# Altium PCB PCB_Project.PcbDoc (part 4 of 4)
Units mm, origin at the board's own origin, x right, y up, seen from the top; angles counter-clockwise.
Board outline 170.43 x 170.05 mm, 4 copper layers (Top Layer, Inner Layer1, Inner Layer2, Bottom Layer), stack 0.551 mm thick; 181 components, 248 nets, 1695 pads, 510 vias.
Unrouted connection lines stored in the file: 313.
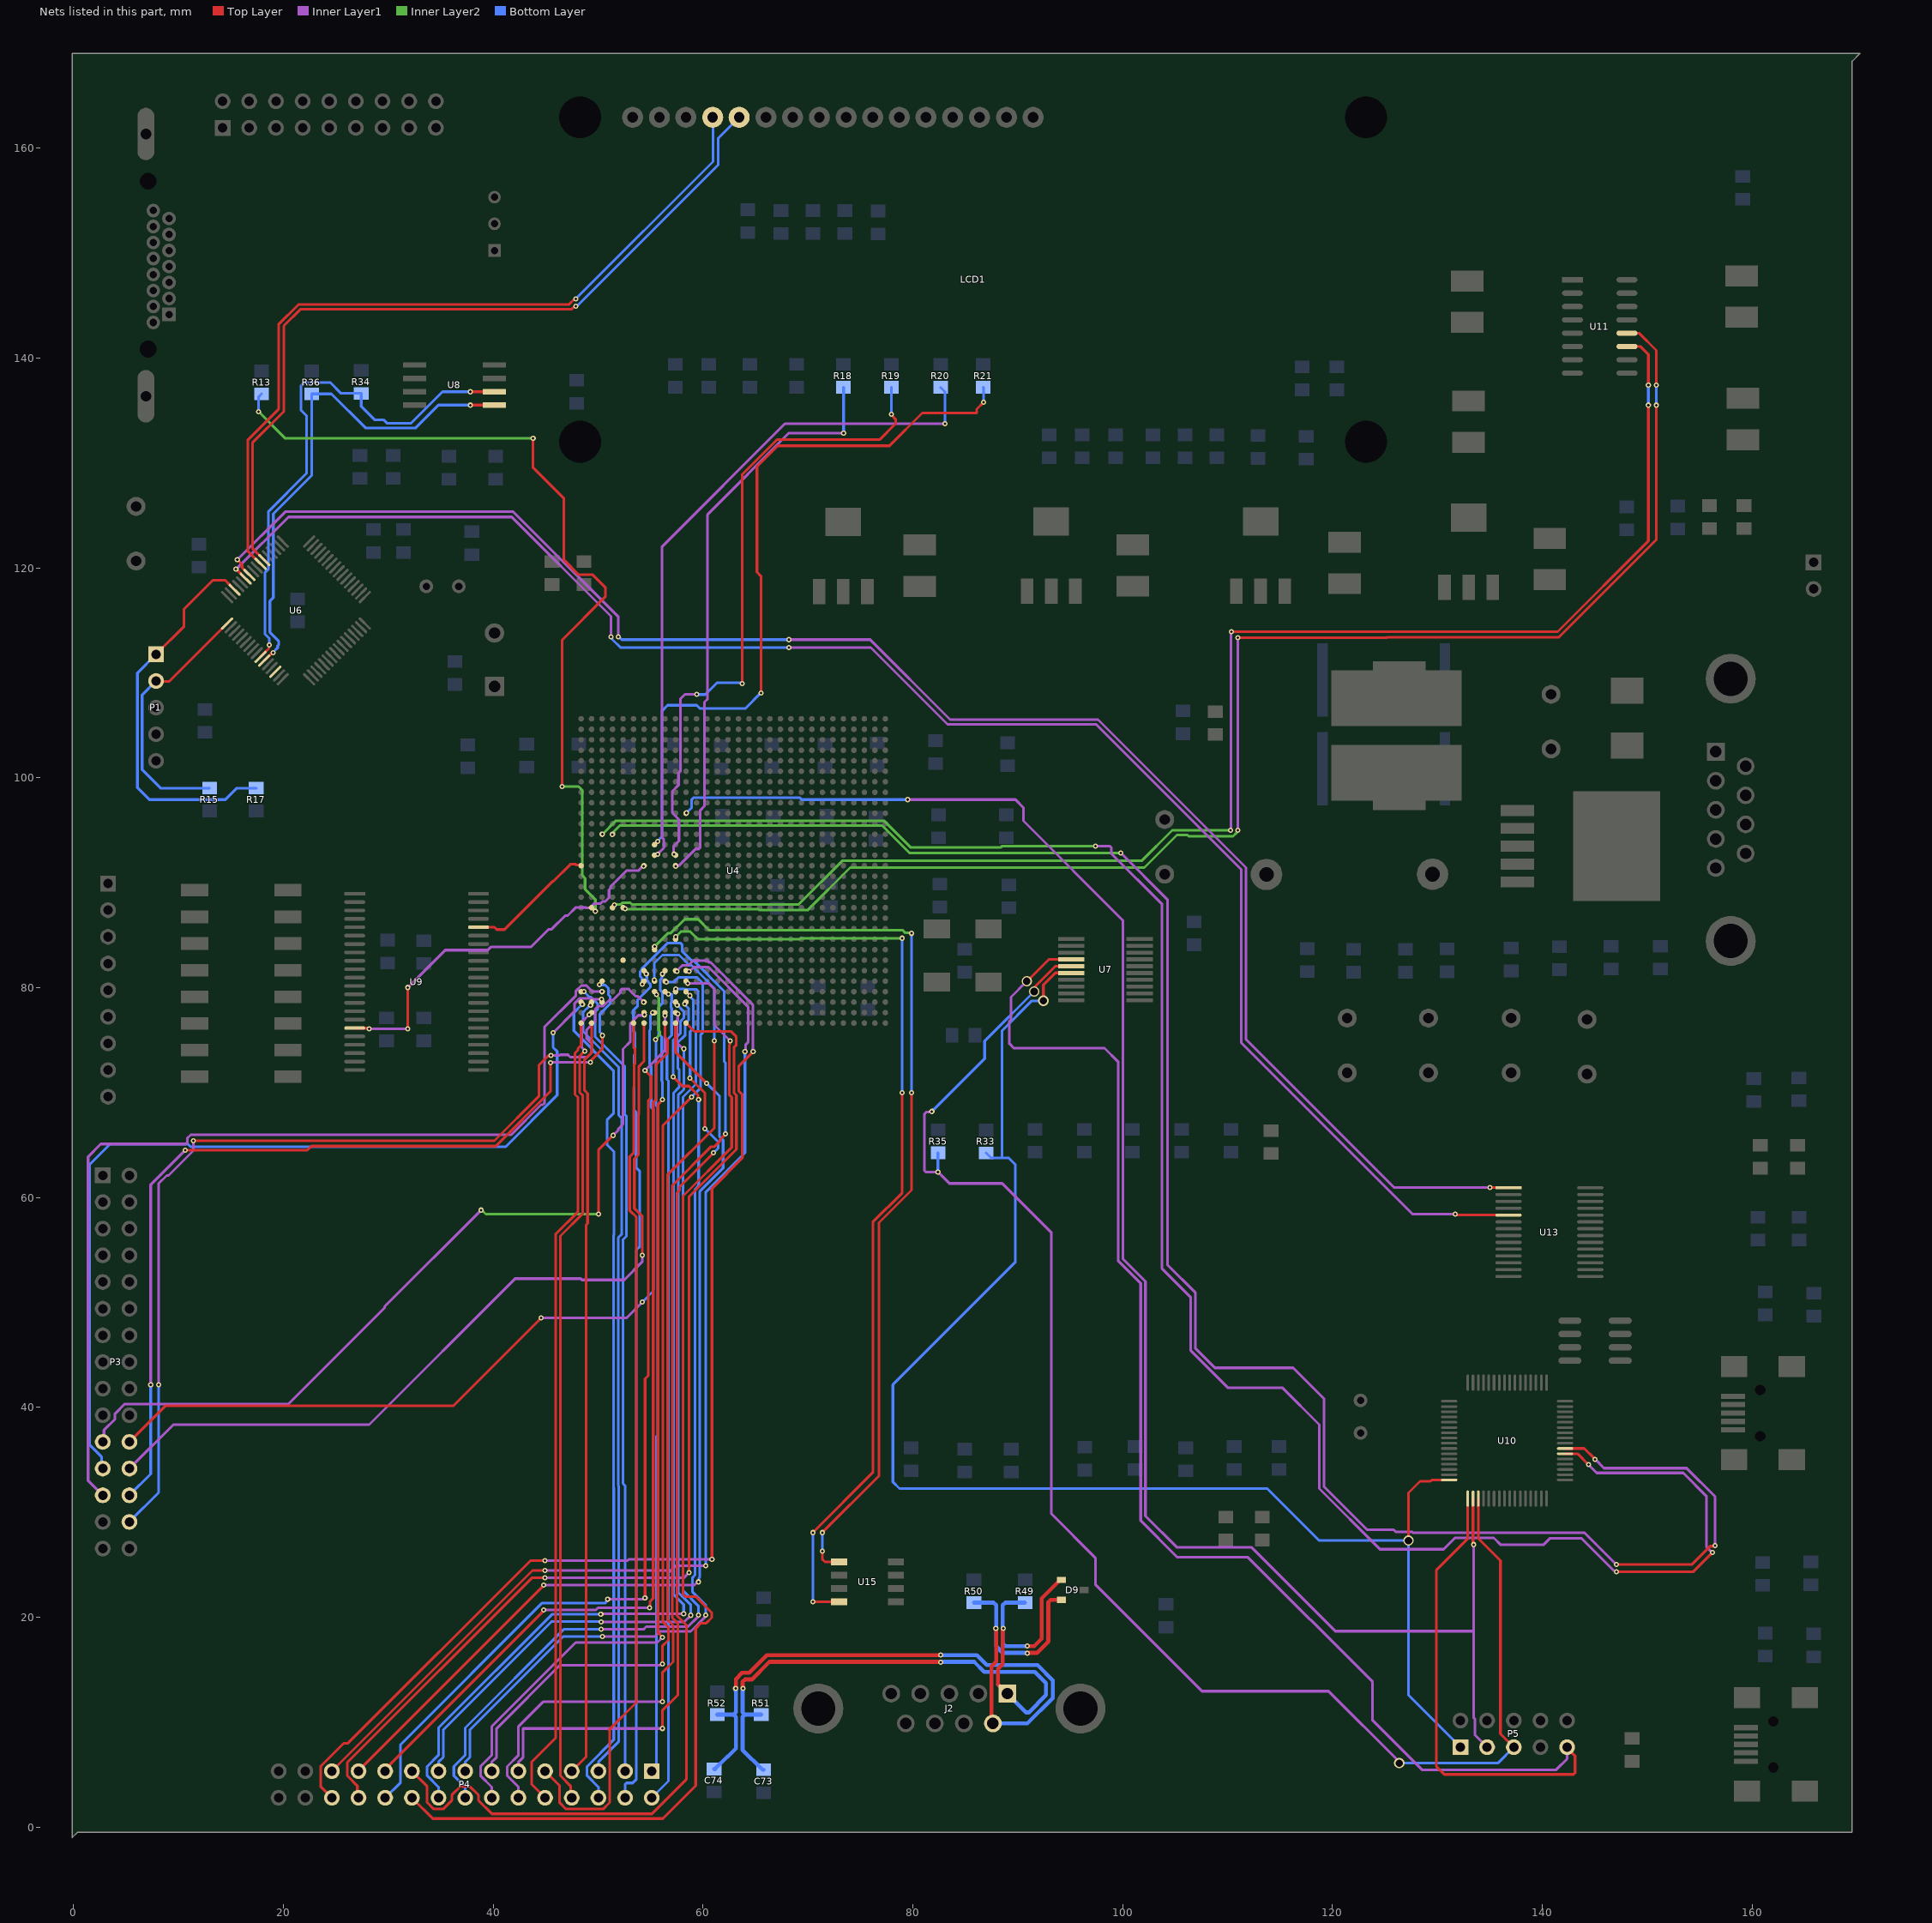
[diagram p6: the nets of this part, all layers, seen from the top]

## Via types
v1: diameter 0.5, hole 0.25, Top Layer to Bottom Layer, 482 vias
v2: diameter 1, hole 0.711, Top Layer to Bottom Layer, 28 vias

## Nets (pads, with @x,y where several pads share a name; then routed paths per layer and width w, separated by ;. In a path a pad name is that pad's centre, name@x,y a point inside that pad or via, vN(x,y) a via of type N, cw(c..) or ccw(c..) an arc to the next point about the centre after c; other vN are vias at no path point) (continued)
PP50: P3.22 U4.AC29 | length 82.9
  Top Layer w0.254: P3.22@5.334,36.703 8.763,40.132 36.195,40.132 v1(44.577,48.514) ; v1(55.219,77.607) 55.381,77.607 U4.AC29@55.389,77.615
  Inner Layer1 w0.254: v1(44.577,48.514) 52.705,48.514 v1(54.229,50.038)
  Bottom Layer w0.254: v1(54.229,50.038) 55.245,51.054 55.245,51.181 55.26,51.196 55.26,68.407 55.06,68.607 55.06,72.502 54.922,72.64 54.922,75.919 54.991,75.988 54.991,77.312 55.219,77.54 v1(55.219,77.607)
PP51: P3.21 U4.AD29 | length 78.8
  Top Layer w0.254: v1(50.038,58.42) 50.038,64.516 v1(51.435,65.913) ; U4.AD29@54.389,77.615 54.414,77.59 v1(54.414,77.401)
  Inner Layer1 w0.254: P3.21@2.794,36.703 2.908,36.817 2.908,37.834 3.96,38.886 3.96,39.392 4.888,40.32 20.508,40.32 29.661,49.473 29.661,49.6 v1(38.862,58.801) ; v1(51.435,65.913) 51.943,66.421 51.943,66.548 52.382,66.987 52.382,74.153 53.09,74.861 53.09,76.601 53.843,77.354 54.367,77.354 v1(54.414,77.401)
  Inner Layer2 w0.254: v1(38.862,58.801) 38.929,58.801 39.31,58.42 v1(50.038,58.42)
PP52: P3.24 U4.AD30 | length 80.6
  Top Layer w0.254: v1(54.229,54.483) 54.229,58.201 53.467,58.963 53.467,63.681 53.848,64.062 53.848,67.945 53.906,68.003 53.906,72.502 54.389,72.985 U4.AD30@54.389,76.615
  Inner Layer1 w0.254: P3.24@5.334,34.163 9.525,38.354 28.194,38.354 42.106,52.266 48.357,52.266 48.48,52.143 52.498,52.143 54.207,53.852 54.207,54.461 v1(54.229,54.483)
PP78: P3.28 U4.AD28 | length 93.1
  Top Layer w0.254: v1(11.43,65.405) 40.125,65.405 44.383,69.663 44.383,72.631 45.227,73.475 45.276,73.475 45.289,73.488 45.482,73.488 v1(45.529,73.535) ; v1(54.356,78.613) 54.358,78.615 U4.AD28@54.389,78.615
  Inner Layer1 w0.254: v1(8.128,42.164) 8.128,61.334 8.894,62.099 9.067,62.099 11.43,64.462 v1(11.43,65.405) ; v1(45.529,73.535) 46.337,73.535 46.4,73.598 47.141,73.598 47.361,73.378 48.969,73.378 49.403,73.812 49.403,74.67 48.895,75.178 48.895,75.946 49.73,76.781 49.73,77.924 50.038,78.232 50.488,78.232 51.069,78.813 51.435,78.813 52.139,79.517 52.139,79.736 52.288,79.885 52.888,79.885 53.082,79.691 53.082,79.689 53.597,79.175 53.794,79.175 v1(54.356,78.613)
  Bottom Layer w0.254: P3.28@5.334,29.083 8.128,31.877 v1(8.128,42.164)
PP80: P3.25 U4.AH27 | length 93.6
  Inner Layer1 w0.254: P3.25@2.794,31.623 1.397,33.02 1.397,63.881 2.609,65.093 10.704,65.093 10.853,65.242 10.853,65.644 11.191,65.982 41.725,65.982 44.577,68.834 44.74,68.834 44.889,68.983 44.889,76.239 47.897,79.246 47.897,79.679 48.417,80.2 48.895,80.2 49.48,79.615 v1(50.389,79.615)
PP81: P3.26 U4.AH26 | length 88.3
  Top Layer w0.254: v1(10.668,64.516) 22.305,64.516 22.686,64.897 40.259,64.897 45.466,70.104 v1(45.466,72.838) ; v1(49.289,72.898) 49.289,72.965 49.412,73.088 49.412,73.162 50.419,74.169 v1(50.419,75.438) ; v1(50.148,80.288) 50.148,80.331 50.389,80.572 U4.AH26@50.389,80.615
  Inner Layer1 w0.254: v1(7.366,42.164) 7.366,61.214 v1(10.668,64.516) ; v1(45.466,72.838) 45.496,72.868 49.259,72.868 v1(49.289,72.898)
  Bottom Layer w0.254: P3.26@5.334,31.623 7.366,33.655 v1(7.366,42.164) ; v1(50.148,80.288) 50.195,80.241 50.696,80.241 50.985,79.952 50.985,79.339 51.158,79.165 51.158,78.456 50.184,77.482 50.184,75.74 50.419,75.505 v1(50.419,75.438)
PP85: P3.23 U4.AH28 | length 89.6
  Top Layer w0.254: U4.AH28@50.389,78.615 U4.AH28@50.389,78.674
  Inner Layer1 w0.254: v1(45.72,75.692) 47.752,77.724 47.752,78.46 48.278,78.985 49.367,78.985 49.45,78.902 v1(50.342,78.902)
  Bottom Layer w0.254: P3.23@2.794,34.163 2.68,34.277 2.68,35.294 1.524,36.45 1.524,63.119 3.498,65.093 10.907,65.093 11.172,64.828 41.191,64.828 46.106,69.743 46.106,73.918 45.72,74.304 v1(45.72,75.692)
PP86: P4.2 U4.AB27 | length 78
  Top Layer w0.254: U4.AB27@56.389,79.615 56.432,79.615 56.668,79.38 v1(56.711,79.38)
  Bottom Layer w0.254: P4.2@55.118,2.794 56.711,4.387 56.711,71.124 56.573,71.262 56.573,75.012 57.022,75.461 57.022,78.042 56.969,78.095 56.969,78.573 57.023,78.627 57.023,79.386
PP87: P4.1 U4.AC27 | length 75
  Top Layer w0.254: U4.AC27@55.389,79.615 55.389,79.554 55.557,79.386 v1(55.557,79.324)
  Inner Layer2 w0.254: v1(55.499,75.057) 55.499,75.124 55.88,75.505 55.88,75.819 55.796,75.903 55.796,79.019 55.557,79.258 v1(55.557,79.324)
  Bottom Layer w0.254: P4.1@55.118,5.334 55.557,5.773 55.557,37.198 55.714,37.355 55.714,68.595 55.514,68.795 55.514,75.042 v1(55.499,75.057) ; v1(55.557,79.324) v1@55.604,79.277
PP90: P4.4 U4.AD25 | length 80.6
  Bottom Layer w0.254: P4.4@52.578,2.794 52.578,4.058 52.727,4.207 53.303,4.207 53.655,4.559 53.655,27.416 53.652,27.419 53.652,50.277 53.652,51.831 53.652,54.988 53.99,55.326 53.99,62.479 53.628,62.841 53.628,68.113 53.452,68.289 53.452,73.591 53.536,73.675 53.536,75.675 53.383,75.828 53.383,77.851 53.779,78.247 53.779,78.852 55.006,80.079 55.006,80.289 54.792,80.503 54.792,80.589 54.653,80.728 54.653,81.249 v1(54.606,81.296)
PP93: P4.3 U4.AK27 | length 76.8
  Top Layer w0.254: U4.AK27@48.389,79.615 48.393,79.619 48.652,79.619 v1(48.656,79.623)
  Bottom Layer w0.254: v1(48.656,79.623) 49.192,79.087 49.34,79.087 49.52,78.907 49.532,78.907 49.765,78.675 49.765,78.663 49.965,78.462 49.965,77.905 49.73,77.67 49.73,75.311 52.544,72.497 52.544,67.913 52.72,67.737 52.72,56.33 52.382,55.992 52.382,32.737 52.578,32.541 P4.3@52.578,5.334
PP94: P4.6 U4.AK28 | length 79.6
  Bottom Layer w0.254: v1(48.517,78.408) 48.497,78.408 47.698,77.609 47.698,75.873 51.474,72.097 51.474,67.997 50.858,67.381 50.858,65.035 51.519,64.374 51.519,56.413 51.474,56.368 51.474,32.361 51.504,32.331 51.504,8.323 48.961,5.78 48.961,4.888 50.038,3.811 P4.6@50.038,2.794
PP95: P4.5 U4.AJ28 | length 76.1
  Top Layer w0.254: v1(49.293,78.33) 49.34,78.377 49.34,78.566 U4.AJ28@49.389,78.615
  Bottom Layer w0.254: v1(49.293,78.33) 49.255,78.33 48.914,77.99 48.576,77.652 48.576,75.823 51.973,72.426 51.973,67.842 52.266,67.549 52.266,56.518 51.928,56.18 51.928,32.549 51.958,32.519 51.958,8.135 50.038,6.215 P4.5@50.038,5.334
PP96: P4.8 U4.AJ29 | length 76.7
  Top Layer w0.254: P4.8@47.498,2.794 47.384,2.908 47.384,3.925 46.421,4.888 46.421,56.335 48.552,58.466 48.552,69.714 48.258,70.008 48.258,73.483 v1(48.73,73.955)
  Inner Layer1 w0.254: v1(48.73,73.955) 48.73,74.021 48.441,74.31 48.441,76.701 v1(49.153,77.413)
PP97: P4.7 U4.AJ30 | length 72.3
  Top Layer w0.254: P4.7@47.498,5.334 48.876,6.712 48.876,57.399 49.006,57.529 49.006,69.902 48.712,70.196 48.712,73.137 49.05,73.475 49.066,73.475 49.389,73.798 U4.AJ30@49.389,76.615
PP100: P4.10 U4.AK30 | length 76.5
  Top Layer w0.254: P4.10@44.958,2.794 43.688,4.064 43.688,6.223 45.967,8.502 45.967,56.523 48.098,58.654 48.098,69.526 47.804,69.82 47.804,73.754 48.094,74.044 48.094,74.204 48.389,74.499 U4.AK30@48.389,76.615
PP119: P4.9 U4.AE30 | length 84.8
  Top Layer w0.254: P4.9@44.958,5.334 46.347,3.945 46.347,2.32 46.95,1.717 50.484,1.717 51.115,2.348 51.115,9.21 51.054,9.271 53.652,11.869 53.652,50.277 53.652,51.831 53.652,58.136 53.013,58.775 53.013,63.869 53.394,64.25 53.394,70.487 53.452,70.545 53.452,72.69 53.536,72.774 53.536,74.153 53.389,74.3 U4.AE30@53.389,76.615
PP128: P4.12 U4.AC26 | length 101.8
  Top Layer w0.254: v1(56.134,11.938) 56.134,14.714 57.165,15.745 57.165,19.221 56.623,19.763 56.623,62.157 61.087,66.621 v1(61.087,74.93)
  Inner Layer1 w0.254: P4.12@42.418,2.794 42.418,3.811 41.341,4.888 41.341,5.78 42.418,6.857 42.418,9.586 44.77,11.938 v1(56.134,11.938)
  Bottom Layer w0.254: v1(55.369,80.742) 55.361,80.75 55.361,82.326 56.14,83.105 57.735,83.105 58.718,82.122 58.916,82.122 61.087,79.951 v1(61.087,74.93)
PP130: P4.11 U4.AD26 | length 104
  Top Layer w0.254: v1(54.226,80.338) 54.226,80.395 54.389,80.558 U4.AD26@54.389,80.615 ; v1(56.134,9.398) 56.134,11.122 57.619,12.607 57.619,19.409 57.077,19.951 57.077,61.137 60.779,64.839 61.098,64.839 61.606,65.347 61.606,65.488 v1(62.161,66.043)
  Inner Layer1 w0.254: P4.11@42.418,5.334 42.418,6.215 42.872,6.669 42.872,9.398 v1(56.134,9.398)
  Bottom Layer w0.254: v1(54.226,80.338) 54.179,80.385 54.179,80.907 54.029,81.057 54.029,81.534 54.171,81.676 54.171,81.779 56.651,84.259 57.835,84.259 58.032,84.062 58.032,83.451 58.906,82.576 59.104,82.576 62.023,79.657 62.023,72.952 62.161,72.814 v1(62.161,66.043)
PP131: P4.14 U4.AB25 | length 91.5
  Top Layer w0.254: v1(56.134,18.07) 56.134,18.124 55.715,18.543 55.715,68.869 56.134,69.288 v1(56.134,69.342)
  Inner Layer1 w0.254: P4.14@39.878,2.794 39.878,3.811 38.801,4.888 38.801,5.78 39.878,6.857 39.878,9.586 47.876,17.584 55.648,17.584 v1(56.134,18.07)
  Bottom Layer w0.254: v1(56.134,69.342) 56.134,71.059 56.076,71.117 56.076,75.296 55.796,75.576 55.796,78.158 56.134,78.496 56.134,79.563 55.946,79.751 55.946,80.757 56.093,80.904 56.093,81.238 v1(56.14,81.285)
PP132: P4.13 U4.AB26 | length 93.6
  Top Layer w0.254: v1(56.134,15.53) 56.134,17.254 56.711,17.831 56.711,19.033 56.169,19.575 56.169,66.837 58.89,69.558 v1(58.905,69.558) ; U4.AB26@56.389,80.615 56.426,80.615 v1(56.523,80.518)
  Inner Layer1 w0.254: P4.13@39.878,5.334 39.878,6.215 40.332,6.669 40.332,9.398 46.359,15.425 56.029,15.425 v1(56.134,15.53)
  Bottom Layer w0.254: v1(56.523,80.518) 57.216,80.518 57.666,80.968 59.428,80.968 59.993,80.403 59.993,75.728 59.789,75.524 59.789,70.457 58.905,69.573 v1(58.905,69.558)
PP133: P4.16 U4.AA27 | length 97.5
  Top Layer w0.254: U4.AA27@57.389,79.615 57.397,79.623 57.397,79.876 v1(57.404,79.883)
  Inner Layer1 w0.254: v1(50.282,18.847) 54.341,18.847 54.594,19.101 58.587,19.101 59.516,20.03 59.516,20.146 v1(59.563,20.193)
  Bottom Layer w0.254: P4.16@37.338,2.794 37.338,3.811 36.261,4.888 36.261,5.78 37.338,6.857 37.338,9.459 46.726,18.847 v1(50.282,18.847) ; v1(57.404,79.883) 58.239,79.883 58.308,79.814 59.39,79.814 59.539,79.665 59.539,75.916 59.335,75.712 59.335,70.804 58.097,69.566 58.097,22.562 59.563,21.096 v1(59.563,20.193)
PP134: P4.15 U4.AA28 | length 92.2
  Top Layer w0.254: v1(57.15,71.501) 58.039,70.612 58.667,70.612 59.544,69.735 59.544,69.378 v1(59.591,69.331)
  Inner Layer1 w0.254: v1(50.419,18.161) 55.409,18.161 55.895,18.647 58.833,18.647 60.216,20.03 60.216,20.146 v1(60.263,20.193)
  Bottom Layer w0.254: P4.15@37.338,5.334 37.338,6.215 37.792,6.669 37.792,9.271 46.682,18.161 v1(50.419,18.161) ; v1(57.15,71.501) 57.15,74.947 57.865,75.662 57.865,76.779 58.177,77.091 58.177,77.724 57.567,78.334 v1(57.546,78.334) ; v1(59.591,69.331) 59.591,61.122 59.251,60.782 59.251,24.018 58.986,23.753 58.986,22.444 60.263,21.167 v1(60.263,20.193)
PP137: P4.18 U4.Y28 | length 94.8
  Inner Layer1 w0.254: v1(50.274,20.279) 50.315,20.32 v1(58.166,20.32)
  Bottom Layer w0.254: P4.18@34.798,2.794 34.798,3.811 33.721,4.888 33.721,5.78 34.798,6.857 34.798,9.459 45.618,20.279 v1(50.274,20.279) ; v1(58.166,20.32) 58.166,21.209 57.189,22.186 57.189,69.942 57.727,70.48 57.727,72.202 57.604,72.325 57.604,74.759 58.319,75.474 58.319,76.591 58.631,76.903 58.631,78.02 58.26,78.391 v1(58.26,78.457)
PP138: P4.17 U4.AA29 | length 90.7
  Inner Layer1 w0.254: v1(50.292,19.558) 58.228,19.558 v1(58.852,20.183) ; v1(57.599,77.486) 57.593,77.479 57.593,76.794 57.527,76.728 57.527,74.695 57.707,74.515 57.767,74.515 58.114,74.167 v1(58.181,74.167)
  Bottom Layer w0.254: P4.17@34.798,5.334 34.798,6.215 35.252,6.669 35.252,9.271 45.575,19.594 50.256,19.594 v1(50.292,19.558) ; v1(58.181,74.167) 58.181,70.292 57.643,69.754 57.643,22.374 58.852,21.165 v1(58.852,20.183)
PP139: P4.20 U4.Y26 | length 113.5
  Top Layer w0.254: P4.20@32.258,2.794 34.243,0.809 56.181,0.809 59.309,3.937 59.309,18.923 59.825,19.439 60.324,19.439 60.84,19.954 60.84,20.432 59.301,21.971 58.315,21.971 58.097,22.189 58.097,60.129 62.738,64.77 62.738,69.542 62.523,69.757 62.523,74.529 62.553,74.559 62.553,74.883 v1(62.6,74.93) ; U4.Y26@58.389,80.615 58.389,80.582 58.547,80.424 v1(58.547,80.391)
  Inner Layer1 w0.254: v1(58.547,80.391) 60.557,80.391 61.087,79.861 61.087,76.443 v1(62.6,74.93)
PP140: P4.19 U4.Y27 | length 110.6
  Top Layer w0.254: P4.19@32.258,5.334 33.721,3.871 33.721,2.348 34.352,1.717 35.244,1.717 36.068,2.541 36.068,3.047 36.892,3.871 37.784,3.871 38.608,3.047 38.608,2.541 39.886,1.263 55.143,1.263 58.42,4.54 58.42,18.796 58.442,18.818 58.442,19.228 57.531,20.139 57.531,60.452 57.785,60.706 57.785,61.029 v1(61.018,64.262) ; v1(58.758,71.374) 60.198,69.934 v1(60.198,66.548)
  Bottom Layer w0.254: v1(58.742,79.237) 58.742,79.17 59.085,78.827 59.085,76.104 58.773,75.792 58.773,71.389 v1(58.758,71.374) ; v1(60.198,66.548) 61.468,65.278 61.468,64.712 v1(61.018,64.262)
PP141: P4.22 U4.AB29 | length 91.9
  Top Layer w0.254: v1(54.483,21.844) 54.483,42.727 54.806,43.05 54.806,69.244 55.06,69.498 55.06,71.528 v1(54.483,72.105) ; v1(56.373,77.33) 56.381,77.338 56.381,77.607 U4.AB29@56.389,77.615
  Inner Layer1 w0.254: v1(50.927,21.717) 54.289,21.717 54.416,21.844 v1(54.483,21.844) ; v1(54.483,72.105) 56.373,73.995 v1(56.373,77.33)
  Bottom Layer w0.254: P4.22@29.718,2.794 31.181,4.257 31.181,7.867 44.65,21.336 50.651,21.336 50.8,21.485 50.8,21.523 50.927,21.65 v1(50.927,21.717)
PP143: P4.21 U4.AB30 | length 88.3
  Top Layer w0.254: P4.21@29.718,5.334 29.718,5.521 44.831,20.634 v1(44.831,20.701) ; v1(54.922,20.897) 54.969,20.944 54.969,21.514 55.26,21.805 55.26,69.056 55.514,69.31 55.514,72.659 56.642,73.787 56.642,75.037 56.389,75.29 U4.AB30@56.389,76.615
  Inner Layer1 w0.254: v1(44.831,20.701) 49.805,20.701 50.001,20.897 v1(54.922,20.897)
PP144: P4.24 U4.Y30 | length 102.3
  Top Layer w0.254: P4.24@27.178,2.794 27.064,2.908 27.064,3.925 26.101,4.888 26.101,6.155 43.695,23.749 v1(44.958,23.749) ; U4.Y30@58.389,76.615 59.167,75.837 62.647,75.837 63.177,75.307 63.177,74.541 62.977,74.341 62.977,69.945 63.192,69.73 63.192,64.582 58.678,60.067 58.678,39.247 58.674,39.243 v1(58.674,24.257)
  Inner Layer1 w0.254: v1(44.958,23.749) 58.166,23.749 v1(58.674,24.257)
PP146: P4.23 U4.AA30 | length 96
  Top Layer w0.254: P4.23@27.178,5.334 27.178,5.397 44.831,23.05 v1(44.831,23.061) ; U4.AA30@57.389,76.615 57.389,73.843 v1(60.366,70.866)
  Inner Layer1 w0.254: v1(44.831,23.061) 59.189,23.061 59.496,23.368 v1(59.563,23.368)
  Bottom Layer w0.254: v1(59.563,23.368) 59.61,23.415 59.61,23.735 59.705,23.83 59.705,60.594 61.922,62.811 61.922,65.466 61.584,65.804 61.584,69.648 v1(60.366,70.866)
PP147: P4.26 U4.AA25 | length 113.3
  Top Layer w0.254: P4.26@24.638,2.794 23.561,3.871 23.561,5.78 25.782,8.001 26.162,8.001 43.561,25.4 v1(44.958,25.4) ; U4.AA25@57.389,81.615 57.47,81.534 v1(57.531,81.534) ; v1(60.859,25.527) 60.859,60.859 63.776,63.776 63.776,63.986 63.754,64.008 63.754,69.81 63.431,70.133 63.431,72.521 64.785,73.875 v1(64.785,73.919)
  Inner Layer1 w0.254: v1(44.958,25.4) 52.821,25.4 52.948,25.527 v1(60.859,25.527) ; v1(57.531,81.534) 57.531,81.601 57.654,81.724 57.654,81.744 58.032,82.122 58.627,82.122 59.081,82.576 60.412,82.576 60.577,82.411 60.718,82.411 64.755,78.374 64.755,73.949 v1(64.785,73.919)
PP148: P4.25 U4.Y25 | length 106.4
  Top Layer w0.254: P4.25@24.638,5.334 43.753,24.449 v1(44.958,24.449) ; U4.Y25@58.389,81.615 58.424,81.58 58.642,81.58 v1(58.677,81.545)
  Inner Layer1 w0.254: v1(44.958,24.449) 56.831,24.449 56.896,24.384 57.404,24.892 v1(60.282,24.892) ; v1(58.677,81.545) 58.741,81.545 59.153,81.957 60.53,81.957 64.301,78.186 64.301,74.788 64.055,74.542 64.055,73.961 v1(64.008,73.914)
  Bottom Layer w0.254: v1(60.282,24.892) 60.282,60.529 64.008,64.255 v1(64.008,73.914)
RED0: R21.2 U4.AC13 | length 71
  Top Layer w0.254: U4.AC13@55.389,93.615 v1(55.69,93.917) ; v1(65.532,108.077) 65.532,119.212 65.151,119.593 65.151,129.646 67.13,131.625 77.777,131.625 80.91,134.758 86.095,134.758 86.095,135.117 v1(86.741,135.763)
  Bottom Layer w0.254: v1(55.69,93.917) 55.69,93.968 56.111,94.389 56.111,106.381 56.636,106.906 59.405,106.906 59.7,106.611 64.066,106.611 v1(65.532,108.077) ; R21.2@86.716,137.211 86.741,137.185 v1(86.741,135.763)
RED1: R20.2 U4.AC14 | length 65.4
  Top Layer w0.254: U4.AC14@55.389,92.615 55.437,92.663 55.633,92.663 v1(55.68,92.71)
  Inner Layer1 w0.254: v1(55.68,92.71) 56.267,93.297 56.267,94.156 56.111,94.312 56.111,122.024 67.818,133.731 v1(83.058,133.731)
  Bottom Layer w0.254: R20.2@82.652,137.211 83.058,136.804 v1(83.058,133.731)
RED2: R19.2 U4.AA14 | length 62.4
  Top Layer w0.254: v1(63.754,108.966) 63.754,128.905 67.056,132.207 76.835,132.207 78.359,133.731 78.359,134.172 77.978,134.553 v1(77.978,134.62)
  Inner Layer1 w0.254: v1(57.23,92.721) 57.208,92.743 57.208,93.457 57.719,93.968 57.719,96.018 57.081,96.656 57.081,98.707 57.672,99.298 57.672,100.453 57.844,100.625 57.844,107.501 58.293,107.95 v1(59.409,107.95)
  Bottom Layer w0.254: v1(59.409,107.95) 59.432,107.927 60.222,107.927 61.33,109.035 63.618,109.035 63.687,108.966 v1(63.754,108.966) ; R19.2@77.953,137.211 77.978,137.185 v1(77.978,134.62)
RED3: R18.2 U4.AA15 | length 55.7
  Top Layer w0.254: U4.AA15@57.389,91.615 57.389,91.582 v1(57.404,91.567)
  Inner Layer1 w0.254: v1(57.404,91.567) 57.451,91.614 57.705,91.614 59.309,93.218 59.599,93.218 59.748,93.367 59.748,96.89 60.151,97.292 60.151,107.207 60.44,107.496 60.44,125.083 68.199,132.842 v1(73.406,132.842)
  Bottom Layer w0.254: R18.2@73.381,137.211 73.406,137.185 v1(73.406,132.842)
RS: LCD1.4 U6.39 | length 76.6
  Top Layer w0.254: U6.39@17.833,120.388 16.607,121.614 16.607,132.157 19.558,135.108 19.558,143.204 21.441,145.087 47.223,145.087 47.763,145.627 v1(47.879,145.627)
  Bottom Layer w0.254: v1(47.879,145.627) 60.96,158.708 60.96,162.903 LCD1.4@60.929,162.934
RS_N: C73.1 D9.1 J2.1 R49.1 R51.1 | length 72.5
  Top Layer w0.381: v1(63.812,13.208) 63.779,13.24 63.779,13.848 64.003,14.072 64.676,14.072 66.352,15.748 82.645,15.748 v1(82.677,15.716) ; v1(88.615,18.923) 88.615,18.839 88.582,18.806 88.582,15.523 88.129,15.069 88.129,13.601 88.352,13.378 88.374,13.378 J2.1@89.028,12.723 ; v1(90.932,17.272) 91.016,17.272 91.049,17.24 91.572,17.24 92.292,17.959 92.292,21.798 94.05,23.556 D9.1@94.175,23.556
  Bottom Layer w0.381: v1(63.812,13.208) 63.789,13.185 63.789,12.964 63.779,12.954 63.779,10.942 64.003,10.719 ; R51.1@65.557,10.719 64.003,10.719 ; C73.1@65.786,5.461 65.686,5.461 63.779,7.368 63.779,10.496 64.003,10.719 ; v1(82.677,15.716) 82.709,15.748 85.852,15.748 86.8,14.8 91.635,14.8 92.71,13.725 92.71,12.573 91.059,10.922 90.807,10.922 88.129,13.601 ; v1(88.615,18.923) v1@88.582,18.955 ; R49.1@90.703,21.387 88.806,21.387 88.582,21.164 v1@88.582,18.955 ; v1(90.932,17.272) 90.9,17.24 88.838,17.24 88.582,17.495 v1@88.582,18.955
RS_P: C74.1 D9.2 J2.6 R50.2 R52.1 | length 78.2
  Top Layer w0.381: v1(63.112,13.208) 63.112,13.292 63.144,13.325 63.144,14.112 63.74,14.707 64.413,14.707 66.089,16.383 82.55,16.383 82.582,16.415 v1(82.677,16.415) ; J2.6@87.643,9.883 87.494,10.033 87.494,15.332 87.947,15.786 87.947,18.891 v1(87.915,18.923) ; v1(90.932,16.572) 90.964,16.605 91.836,16.605 92.927,17.695 92.927,21.433 93.15,21.656 D9.2@94.175,21.656
  Bottom Layer w0.381: C74.1@61.062,5.537 61.162,5.537 62.344,6.72 62.371,6.72 63.144,7.493 63.144,10.496 62.921,10.719 ; R52.1@61.366,10.719 62.921,10.719 ; v1(63.112,13.208) 63.135,13.185 63.135,12.964 63.144,12.954 63.144,10.942 62.921,10.719 ; v1(82.677,16.415) 82.761,16.415 82.794,16.383 86.115,16.383 87.063,15.435 91.898,15.435 93.345,13.988 93.345,12.31 90.918,9.883 J2.6@87.643,9.883 ; R50.2@85.827,21.387 87.724,21.387 87.947,21.164 v1@87.947,19.04 ; v1(87.915,18.923) 87.915,19.007 v1@87.947,19.04 ; v1(90.932,16.572) 90.848,16.572 90.815,16.605 88.575,16.605 87.947,17.232 v1@87.947,19.04
RW: LCD1.5 U6.38 | length 77.1
  Top Layer w0.254: U6.38@18.186,120.742 17.061,121.867 17.061,131.903 20.058,134.9 20.058,143.062 21.629,144.633 47.469,144.633 47.763,144.927 v1(47.879,144.927)
  Bottom Layer w0.254: v1(47.879,144.927) 47.995,144.927 61.46,158.392 61.46,160.94 LCD1.5@63.454,162.934
RX2: U4.AC23 U15.1 | length 91.3
  Top Layer w0.254: U4.AC23@55.389,83.615 v1(55.389,83.9) ; v1(71.374,26.289) 71.374,25.527 71.628,25.273 U15.1@72.98,25.273 ; v1(71.374,28.067) 76.777,33.47 76.777,57.593 79.883,60.699 v1(79.883,69.977)
  Inner Layer2 w0.254: v1(55.389,83.9) 56.683,85.194 56.946,85.194 58.261,86.509 59.541,86.509 60.579,85.471 79.048,85.471 79.306,85.213 79.826,85.213 v1(79.873,85.166)
  Bottom Layer w0.254: v1(71.374,26.289) v1(71.374,28.067) ; v1(79.873,85.166) 79.878,85.16 79.878,69.982 v1(79.883,69.977)
RX_232: U4.AF19 U11.12 | length 145.4
  Top Layer w0.254: v1(110.998,113.342) 125.183,113.342 125.237,113.396 141.59,113.396 150.876,122.682 v1(150.876,135.509) ; U11.12@148.075,142.367 149.225,142.367 150.876,140.716 v1(150.876,137.414)
  Inner Layer1 w0.254: v1(110.998,94.996) v1(110.998,113.342)
  Inner Layer2 w0.254: v1(52.578,87.503) 52.604,87.477 65.304,87.477 65.405,87.376 69.977,87.376 74.041,91.44 102.081,91.44 105.183,94.542 106.172,94.542 106.295,94.419 110.537,94.419 110.875,94.757 110.875,94.806 110.998,94.929 v1(110.998,94.996)
  Bottom Layer w0.254: v1(150.876,135.509) v1(150.876,137.414)
RXD0_PA9: U6.42 U13.1 | length 162.4
  Top Layer w0.254: v1(15.621,120.777) 16.071,120.327 16.071,120.031 16.772,119.33 U6.42@16.772,119.327 ; v1(135.001,60.96) 135.019,60.942 136.761,60.942 U13.1@136.779,60.923
  Inner Layer1 w0.254: v1(15.621,120.777) 20.193,125.349 41.917,125.349 51.943,115.323 v1(51.943,113.411) ; v1(68.199,113.157) 75.946,113.157 83.566,105.537 97.663,105.537 111.76,91.44 111.76,75.057 125.857,60.96 v1(135.001,60.96)
  Bottom Layer w0.254: v1(51.943,113.411) 52.01,113.411 52.264,113.157 v1(68.199,113.157)
RXD_FT2232/MPSSE_TDI: U4.AG12 U10.39 | length 184.8
  Top Layer w0.254: v1(51.366,94.576) 51.389,94.6 U4.AG12@51.389,94.615 ; U10.39@142.177,36.08 144.006,36.08 v1(145.034,35.052) ; v1(147.066,25.019) 154.251,25.019 155.997,26.765 156.423,26.765 v1(156.47,26.812)
  Inner Layer1 w0.254: v1(99.822,92.837) 104.267,88.392 104.267,53.594 106.953,50.908 106.953,45.593 108.785,43.761 116.259,43.761 119.199,40.821 119.199,32.446 123.305,28.34 125.831,28.34 126.039,28.132 127.597,28.132 127.681,28.048 144.037,28.048 v1(147.066,25.019) ; v1(145.034,35.052) 145.883,34.203 153.757,34.203 156.464,31.496 156.464,26.818 v1(156.47,26.812)
  Inner Layer2 w0.254: v1(51.366,94.576) 51.366,94.643 51.526,94.803 51.526,94.894 52.078,95.446 77.074,95.446 79.683,92.837 v1(99.822,92.837)
SCL: R34.2 U6.58 U8.6 | length 50.3
  Top Layer w0.254: U6.58@17.833,111.514 17.833,111.517 18.372,112.056 18.372,112.06 18.623,112.311 18.623,112.603 v1(18.669,112.649) ; v1(37.846,136.779) U8.6@40.128,136.779
  Bottom Layer w0.254: v1(18.669,112.649) 18.666,112.652 18.666,113.28 18.273,113.673 18.273,119.565 18.596,119.888 18.596,125.376 22.225,129.005 22.225,134.493 21.681,135.037 21.681,137.311 22.037,137.668 24.466,137.668 25.507,136.627 R34.2@27.432,136.627 27.432,135.382 28.702,134.112 29.549,134.112 29.872,133.789 32.189,133.789 35.179,136.779 v1(37.846,136.779)
SDA: R36.2 U6.59 U8.5 | length 47.7
  Top Layer w0.254: U6.59@18.186,111.16 18.189,111.16 18.889,111.86 18.988,111.86 v1(19.035,111.908) ; v1(37.846,135.509) U8.5@40.128,135.509
  Bottom Layer w0.254: v1(19.035,111.908) 19.035,111.947 19.462,112.373 19.462,112.553 19.558,112.649 19.558,113.03 18.727,113.861 18.727,116.825 19.05,117.148 19.05,125.151 22.708,128.808 R36.2@22.708,136.576 24.587,136.576 27.828,133.335 32.624,133.335 34.798,135.509 v1(37.846,135.509)
SWCLK: P1.2 R15.2 U6.49 | length 25.2
  Top Layer w0.254: P1.2@7.874,109.22 7.908,109.186 9.141,109.186 U6.49@14.651,114.696
  Bottom Layer w0.254: P1.2@7.874,109.22 6.55,107.896 6.55,100.765 8.306,99.009 R15.2@12.979,99.009
SWDIO: P1.1 R17.2 U6.46 | length 37.4
  Top Layer w0.254: P1.1@7.874,111.76 10.541,114.427 10.541,116.078 13.28,118.817 14.463,118.817 14.801,118.479 14.801,118.473 15.358,117.916 U6.46@15.358,117.913
  Bottom Layer w0.254: P1.1@7.874,111.76 6.096,109.982 6.096,99.06 7.239,97.917 14.484,97.917 15.576,99.009 R17.2@17.424,99.009
TCK: P5.1 R33.1 U7.6 U10.16 | length 142.7
  Top Layer w0.254: v2@92.557,78.841 92.658,78.74 v2(92.456,78.74) 92.456,80.257 93.603,81.403 95.105,81.403 U7.6@95.121,81.387 ; v2(127.254,27.305) 127.254,31.856 128.349,32.951 129.349,32.951 129.478,33.08 U10.16@131.127,33.08
  Bottom Layer w0.254: R33.1@86.995,64.237 87.468,63.764 88.519,63.764 ; v2(92.456,78.74) 91.355,78.74 88.519,75.904 88.519,63.764 ; P5.1@132.207,7.62 127.254,12.573 v2(127.254,27.305) 118.745,27.305 113.792,32.258 78.74,32.258 78.105,32.893 78.105,42.164 89.789,53.848 89.789,63.119 89.144,63.764 88.519,63.764
TDI: P5.9 U7.4 U10.17 | length 165.4
  Top Layer w0.254: v2(90.87,80.605) v2@90.881,80.594 ; U7.4@95.121,82.687 92.974,82.687 v2@90.881,80.594 ; U10.17@132.902,31.305 132.902,27.492 129.921,24.511 129.921,5.769 130.668,5.022 142.98,5.022 143.129,5.171 143.129,6.783 142.643,7.269 142.643,7.896 P5.9@142.367,7.62 ; v2@90.881,80.594 90.863,80.576 90.899,80.576 v2@90.881,80.594
  Inner Layer1 w0.254: v2(90.87,80.605) 89.361,79.097 89.361,76.948 89.212,76.799 89.212,74.651 89.626,74.237 98.273,74.237 99.568,72.942 99.568,53.975 101.727,51.816 101.727,29.21 105.229,25.708 111.953,25.708 123.825,13.836 123.825,10.16 128.524,5.461 141.329,5.461 142.367,6.499 P5.9@142.367,7.62
TDO: P5.3 U4.Y10 U10.18 | length 166
  Top Layer w0.254: U10.18@133.402,31.305 133.402,27.066 133.477,26.991 v1(133.477,26.924)
  Inner Layer1 w0.254: v1(79.502,97.914) 79.505,97.917 89.782,97.917 90.551,97.148 90.551,95.885 100.022,86.414 100.022,54.163 102.181,52.004 102.181,29.645 105.156,26.67 112.268,26.67 120.269,18.669 133.477,18.669 ; v1(133.477,26.924) 133.477,18.669 ; P5.3@134.747,7.62 133.581,8.786 133.581,10.309 133.477,10.413 133.477,18.669
  Bottom Layer w0.254: v1(58.42,96.647) 58.935,97.162 58.935,97.924 59.124,98.113 69.218,98.113 69.414,97.917 79.499,97.917 v1(79.502,97.914)
TMS: P5.5 R35.1 U7.5 U10.19 | length 151.4
  Top Layer w0.254: v2(91.567,79.629) 91.186,79.629 93.594,82.037 U7.5@95.121,82.037 ; U10.19@133.902,31.305 133.902,27.515 136.017,25.4 136.017,8.89 P5.5@137.287,7.62
  Inner Layer1 w0.254: v1(81.822,68.199) 81.775,68.152 81.321,68.152 81.099,67.93 81.099,62.582 81.247,62.433 v1(82.398,62.433) 83.49,61.341 88.519,61.341 93.218,56.642 93.218,29.845 97.409,25.654 97.409,23.114 107.569,12.954 119.634,12.954 126.365,6.223 v2(126.365,6.096)
  Bottom Layer w0.254: v1(81.822,68.199) 86.855,73.232 86.855,74.917 v2(91.567,79.629) ; v1(82.398,62.433) 82.398,64.237 R35.1@82.423,64.262 ; v2(126.365,6.096) 135.763,6.096 P5.5@137.287,7.62
TX2: U4.AA22 U15.4 | length 91.6
  Top Layer w0.254: U4.AA22@57.389,84.615 57.389,84.821 v1(57.404,84.836) ; v1(70.485,21.463) U15.4@72.98,21.463 ; v1(70.485,28.067) 76.2,33.782 76.2,57.658 78.994,60.452 v1(78.994,69.977)
  Inner Layer2 w0.254: v1(57.404,84.836) 57.901,85.333 58.797,85.333 59.518,84.613 69.261,84.613 69.357,84.709 v1(78.994,84.709)
  Bottom Layer w0.254: v1(70.485,21.463) v1(70.485,28.067) ; v1(78.994,69.977) v1(78.994,84.709)
TX_232: U4.AG19 U11.11 | length 144.6
  Top Layer w0.254: U4.AG19@51.389,87.615 51.389,87.663 51.562,87.836 v1(51.562,87.884) ; v1(110.363,113.919) 141.471,113.919 150.114,122.562 v1(150.114,135.509) ; U11.11@148.075,141.097 149.352,141.097 150.114,140.335 v1(150.114,137.414)
  Inner Layer1 w0.254: v1(110.298,94.996) 110.331,95.028 110.331,113.887 v1(110.363,113.919)
  Inner Layer2 w0.254: v1(51.562,87.884) 51.609,87.931 52.184,87.931 52.333,88.08 53.079,88.08 53.228,87.931 69.135,87.931 73.279,92.075 101.811,92.075 104.732,94.996 v1(110.298,94.996)
  Bottom Layer w0.254: v1(150.114,135.509) v1(150.114,137.414)
TXD0_PA10: U6.43 U13.5 | length 163.1
  Top Layer w0.254: v1(15.494,119.888) 15.501,119.888 16.416,118.974 U6.43@16.418,118.974 ; v1(131.699,58.42) 131.766,58.42 131.863,58.323 U13.5@136.779,58.323
  Inner Layer1 w0.254: v1(15.494,119.888) 15.548,119.888 20.501,124.841 41.783,124.841 51.243,115.381 v1(51.243,113.411) ; v1(68.199,112.395) 76.006,112.395 83.318,105.083 97.475,105.083 111.306,91.252 111.306,74.749 127.635,58.42 v1(131.699,58.42)
  Bottom Layer w0.254: v1(51.243,113.411) 51.243,113.344 51.366,113.221 51.366,113.172 52.143,112.395 v1(68.199,112.395)
TXD_FT2232/MPSSE_TCK: U4.AH12 U10.38 | length 186.3
  Top Layer w0.254: U4.AH12@50.389,94.615 v1(50.419,94.615) ; U10.38@142.177,35.58 143.363,35.58 v1(144.399,34.544) ; v1(147.066,24.319) 154.367,24.319 v1(156.21,26.162)
  Inner Layer1 w0.254: v1(97.409,93.472) 98.806,93.472 98.933,93.345 98.933,92.764 103.759,87.938 103.759,53.213 106.499,50.473 106.499,45.405 110.024,41.879 115.22,41.879 118.745,38.354 118.745,32.258 124.525,26.478 130.606,26.478 131.687,27.559 135.382,27.559 136.047,26.894 140.1,26.894 140.711,27.505 143.764,27.505 146.827,24.442 146.876,24.442 146.999,24.319 v1(147.066,24.319) ; v1(144.399,34.544) 145.194,33.749 153.449,33.749 155.644,31.554 155.644,26.728 v1(156.21,26.162)
  Inner Layer2 w0.254: v1(50.419,94.615) 51.704,95.9 77.262,95.9 79.817,93.345 88.359,93.345 88.486,93.472 v1(97.409,93.472)
UB: U4.AK15 U9.40 | length 12.5
  Top Layer w0.254: U9.40@38.608,85.75 40.131,85.75 40.352,85.529 41.086,85.529 45.692,90.135 45.76,90.135 47.377,91.752 47.61,91.752 47.864,91.752 47.949,91.668 48.336,91.668 U4.AK15@48.389,91.615
UTOF: U4.AF24 U6.62
VSYNC: R13.1 U4.AJ19 | length 82.1
  Top Layer w0.254: v1(43.815,132.334) 43.815,129.54 46.75,126.605 46.75,120.753 48.161,119.342 49.502,119.342 50.695,118.149 50.695,117.243 46.587,113.135 v1(46.587,99.156) ; U4.AJ19@49.389,87.615 49.404,87.615 49.733,87.285 v1(49.747,87.285)
  Inner Layer2 w0.254: v1(17.653,134.874) 20.193,132.334 v1(43.815,132.334) ; v1(46.587,99.156) 48.143,99.156 48.514,98.784 48.514,90.667 48.763,90.419 48.763,89.378 49.747,88.393 v1(49.747,87.285)
  Bottom Layer w0.254: v1(17.653,134.874) 17.653,136.296 R13.1@17.932,136.576
WE: U4.AD15 U9.17 | length 36.9
  Top Layer w0.254: U9.17@26.808,76.15 26.826,76.132 28.069,76.132 28.127,76.073 v1(28.194,76.073) ; v1(31.877,76.073) v1(31.877,80.01) ; v1(54.356,91.567) 54.356,91.582 U4.AD15@54.389,91.615
  Inner Layer1 w0.254: v1(28.194,76.073) v1(31.877,76.073) ; v1(31.877,80.01) 35.433,83.566 39.497,83.566 39.82,83.889 43.642,83.889 45.313,85.56 45.578,85.56 46.871,86.853 47.113,86.853 47.905,87.645 48.814,87.645 48.874,87.585 49.231,87.585 49.657,88.011 50.238,88.011 50.434,88.207 50.686,88.207 51.054,88.575 51.054,89.315 51.185,89.446 51.185,89.601 52.745,91.161 53.883,91.161 54.289,91.567 v1(54.356,91.567)
pads on no net: J1.1 J1.4 J1.5 J1.6 J1.7 J1.8 J1.9 J1.10 J1.11 J2.2 J2.3 J2.4 J2.7 J2.8 J2.9 J2.10 J2.11 LCD1.0 LCD1.7 LCD1.8 LCD1.9 LCD1.10 LCD1.11 P5.6 P5.7 P5.8 U4.A2 U4.A3 U4.A4 U4.A5 U4.A6 U4.A7 U4.A8 U4.A9 U4.A10 U4.A12 U4.A13 U4.A14 U4.A15 U4.A16 U4.A17 U4.A18 U4.A19 U4.A20 U4.A22 U4.A23 U4.A24 U4.A25 U4.A26 U4.A27 U4.A28 U4.A29 U4.A30 U4.AA2 U4.AA3 U4.AA4 U4.AA6 U4.AA7 U4.AA8 U4.AA18 U4.AA19 U4.AA20 U4.AB1 U4.AB2 U4.AB4 U4.AB5 U4.AB6 U4.AB8 U4.AB9 U4.AB10 U4.AB19 U4.AB20 U4.AC2 U4.AC3 U4.AC4 U4.AC6 U4.AC7 U4.AC8 U4.AC10 U4.AC18 U4.AC19 U4.AC20 U4.AC22 U4.AD1 U4.AD2 U4.AD4 U4.AD5 U4.AD6 U4.AD8 U4.AD9 U4.AD10 U4.AD18 U4.AD19 U4.AD20 U4.AD21 U4.AD23 U4.AE2 U4.AE3 U4.AE4 U4.AE6 U4.AE7 U4.AE8 U4.AE10 U4.AE20 U4.AE22 U4.AF1 U4.AF2 U4.AF4 U4.AF5 U4.AF6 U4.AF8 U4.AF9 U4.AF10 U4.AF22 U4.AG2 U4.AG3 U4.AG4 U4.AG6 U4.AG7 U4.AG8 U4.AG10 U4.AH1 U4.AH2 U4.AH4 U4.AH5 U4.AH6 U4.AH8 U4.AH9 U4.AH10 U4.AJ2 U4.AJ3 U4.AJ4 U4.AJ6 U4.AJ7 U4.AJ8 U4.AJ10 U4.AK1 U4.AK2 U4.AK4 U4.AK5 U4.AK6 U4.AK8 U4.AK9 U4.AK10 U4.B1 U4.B2 U4.B3 U4.B4 U4.B5 U4.B6 U4.B7 U4.B9 U4.B10 U4.B11 U4.B12 U4.B13 U4.B14 U4.B15 U4.B16 U4.B17 U4.B19 U4.B20 U4.B21 U4.B22 U4.B23 U4.B24 U4.B25 U4.B26 U4.B27 U4.B29 U4.B30 U4.C1 U4.C2 U4.C3 U4.C4 U4.C6 U4.C7 U4.C8 U4.C9 U4.C10 U4.C11 U4.C12 U4.C13 U4.C14 U4.C16 U4.C17 U4.C18 U4.C19 U4.C20 U4.C21 U4.C22 U4.C23 U4.C24 U4.C26 U4.C27 U4.C28 U4.C29 U4.C30 U4.D1 U4.D3 U4.D4 U4.D5 U4.D6 U4.D7 U4.D8 U4.D9 U4.D10 U4.D11 U4.D13 U4.D14 U4.D15 U4.D16 U4.D17 U4.D18 U4.D19 U4.D20 U4.D21 U4.D23 U4.D24 U4.D25 U4.D26 U4.D27 U4.D28 U4.D29 U4.D30 U4.E1 U4.E2 U4.E3 U4.E4 U4.E5 U4.E6 U4.E7 U4.E8 U4.E10 U4.E11 U4.E12 U4.E13 U4.E14 U4.E15 U4.E16 U4.E17 U4.E18 U4.E20 U4.E21 U4.E22 U4.E23 U4.E24 U4.E25 U4.E26 U4.E27 U4.E28 U4.E30 U4.F1 U4.F2 U4.F3 U4.F4 U4.F5 U4.F7 U4.F8 U4.F9 U4.F10 U4.F11 U4.F12 U4.F13 U4.F14 U4.F15 U4.F17 U4.F18 U4.F19 U4.F20 U4.F21 U4.F22 U4.F23 U4.F24 U4.F25 U4.F27 U4.F28 U4.F29 U4.F30 U4.G1 U4.G2 U4.G4 U4.G5 U4.G6 U4.G7 U4.G8 U4.G9 U4.G10 U4.G11 U4.G12 U4.G14 U4.G15 U4.G16 U4.G17 U4.G18 U4.G19 U4.G20 U4.G21 U4.G22 U4.G24 U4.G25 U4.G26 U4.G27 U4.G28 U4.G29 U4.G30 U4.H1 U4.H2 U4.H3 U4.H4 U4.H5 U4.H6 U4.H7 U4.H8 U4.H9 U4.H11 U4.H12 U4.H13 U4.H14 U4.H15 U4.H16 U4.H17 U4.H18 U4.H19 U4.H21 U4.H22 U4.H23 U4.H24 U4.H25 U4.H26 U4.H27 U4.H28 U4.H29 U4.J1 U4.J2 U4.J3 U4.J4 U4.J5 U4.J6 U4.J8 U4.J9 U4.J10 U4.J11 U4.J12 U4.J13 U4.J14 U4.J15 U4.J16 U4.J18 U4.J19 U4.J20 U4.J21 U4.J22 U4.J23 U4.J24 U4.J25 U4.J26 U4.J28 U4.J29 U4.J30 U4.K1 U4.K2 U4.K3 U4.K5 U4.K6 U4.K7 U4.K8 U4.K9 U4.K10 U4.K11 U4.K12 U4.K13 U4.K15 U4.K16 U4.K17 U4.K18 U4.K19 U4.K20 U4.K21 U4.K22 U4.K23 U4.K25 U4.K26 U4.K27 U4.K28 U4.K29 U4.K30 U4.L1 U4.L2 U4.L3 U4.L4 U4.L5 U4.L6 U4.L7 U4.L8 U4.L9 U4.L10 U4.L12 U4.L13 U4.L14 U4.L15 U4.L16 U4.L17 U4.L18 U4.L19 U4.L20 U4.L22 U4.L23 U4.L24 U4.L25 U4.L26 U4.L27 U4.L28 U4.L29 U4.L30 U4.M10 U4.M12 U4.M16 U4.M17 U4.M19 U4.M20 U4.M21 U4.M22 U4.M23 U4.M24 U4.M25 U4.M26 U4.M27 U4.M29 U4.M30 U4.N2 U4.N3 U4.N4 U4.N6 U4.N7 U4.N8 U4.N18 U4.N21 U4.N22 U4.N23 U4.N24 U4.N26 U4.N27 U4.N28 U4.N29 U4.N30 U4.P1 U4.P2 U4.P4 U4.P5 U4.P6 U4.P8 U4.P14 U4.P15 U4.P21 U4.P23 U4.P24 U4.P25 U4.P26 U4.P27 U4.P28 U4.P29 U4.P30 U4.R2 U4.R3 U4.R4 U4.R6 U4.R7 U4.R8 U4.R21 U4.R22 U4.R23 U4.R24 U4.R25 U4.R26 U4.R27 U4.R28 U4.R30 U4.T1 U4.T2 U4.T4 U4.T5 U4.T6 U4.T7 U4.T21 U4.T22 U4.T23 U4.T24 U4.T25 U4.T27 U4.T28 U4.T29 U4.T30 U4.U2 U4.U3 U4.U4 U4.U6 U4.U7 U4.U8 U4.U14 U4.U15 U4.U21 U4.U22 U4.U24 U4.U25 U4.U26 U4.U27 U4.U28 U4.U29 U4.U30 U4.V1 U4.V2 U4.V4 U4.V5 U4.V6 U4.V7 U4.V21 U4.V22 U4.V23 U4.V24 U4.V25 U4.V26 U4.V27 U4.V28 U4.V29 U4.W2 U4.W3 U4.W4 U4.W6 U4.W7 U4.W8 U4.W24 U4.W25 U4.W26 U4.W28 U4.W29 U4.W30 U4.Y1 U4.Y2 U4.Y4 U4.Y5 U4.Y6 U4.Y8 U4.Y19 U4.Y20 U7.2 U7.9 U7.12 U7.13 U7.14 U7.15 U7.16 U9.28 U10.21 U10.22 U10.23 U10.24 U10.26 U10.27 U10.28 U10.29 U10.30 U10.32 U10.33 U10.34 U10.36 U10.40 U10.41 U10.43 U10.44 U10.45 U10.46 U10.48 U10.52 U10.53 U10.54 U10.55 U10.57 U10.58 U10.59 U10.60 U11.7 U11.8 U11.9 U11.10 U12.6 U12.7 U13.2 U13.3 U13.6 U13.8 U13.9 U13.10 U13.11 U13.12 U13.13 U13.14 U13.19 U13.24 U13.27 U13.28 U14.6 USB1.4 USB1.6 USB1.7 USB1.8 USB1.9 USB1.MH1 USB1.MH2 USB2.1 USB2.4 USB2.6 USB2.7 USB2.8 USB2.9 USB2.MH1 USB2.MH2 VGA1.4 VGA1.9 VGA1.12 VGA1.15 VGA1.16 VGA1.17 VGA1.18 VGA1.19

## Polygon pours and split planes (outlines as drawn)
GND on Top Layer "GND_L01_P000" (solid, pour order 0): 0.254,-0.127 0.381,0 169.037,0 169.037,168.656 0.381,168.656 0.381,0.635 0.254,0.508
GND on Bottom Layer "GND_L04_P002" (solid, pour order 2): 0.381,0.381 0.635,0.127 169.037,0.127 169.037,168.148 168.91,168.275 168.783,168.148 0.381,168.148 0.381,0.508

## Keep-outs
Keep-Out Layer:
  lines w0.254: 0.254,-0.381 0.254,168.656 169.291,168.656 169.291,-0.254 169.164,-0.381 0.254,-0.381

## Text inside footprints (layer, text, board x,y; h text height)
J1: Top Overlay "1" at 153.09,102.727 h1.5 r270; Top Overlay "5" at 153.09,91.897 h1.5 r270; Top Overlay "9" at 162.49,93.282 h1.5 r270; Top Overlay "6" at 162.49,101.592 h1.5 r270
J2: Top Overlay "6" at 88.143,6.778 h1.5 r180; Top Overlay "9" at 79.833,6.778 h1.5 r180; Top Overlay "5" at 78.448,16.178 h1.5 r180; Top Overlay "1" at 89.278,16.178 h1.5 r180
P2: Top Overlay "2" at 11.176,163.957 h1.27; Top Overlay "1" at 11.684,161.417 h1.27; Top Overlay "17" at 36.576,161.417 h1.27; Top Overlay "18" at 36.576,163.957 h1.27
P3: Top Overlay "1" at 2.286,64.643 h1.27 r270; Top Overlay "2" at 4.826,64.643 h1.27 r270; Top Overlay "29" at 2.286,25.019 h1.27 r270; Top Overlay "30" at 4.826,25.019 h1.27 r270
P4: Top Overlay "1" at 57.658,5.842 h1.27 r180; Top Overlay "2" at 57.658,3.302 h1.27 r180; Top Overlay "29" at 18.034,5.842 h1.27 r180; Top Overlay "30" at 18.034,3.302 h1.27 r180
P5: Top Overlay "10" at 143.891,9.652 h1.27; Top Overlay "9" at 143.891,7.112 h1.27; Top Overlay "1" at 130.175,7.112 h1.27; Top Overlay "2" at 130.175,9.652 h1.27
S9: Top Overlay "6" at 10.965,77.822 h0.8 r270; Top Overlay "5" at 10.965,80.422 h0.8 r270; Top Overlay "4" at 10.965,82.947 h0.8 r270; Top Overlay "3" at 10.965,85.572 h0.8 r270; Top Overlay "2" at 10.965,88.072 h0.8 r270; Top Overlay "1" at 10.965,90.397 h0.8 r270; Top Overlay "ON" at 19.675,92.329 h1 r270; Top Overlay "7" at 10.965,75.272 h0.8 r270; Top Overlay "8" at 10.965,72.732 h0.8 r270
USB1: Board Shape "PCB Edge" at 167.708,3.843 h0.25 r90
USB2: Board Shape "PCB Edge" at 166.464,35.42 h0.25 r90
VGA1: Top Overlay "15" at 3.137,155.173 h1.5 r270; Top Overlay "6" at 3.137,143.88 h1.5 r270; Top Overlay "1" at 10.712,144.392 h1.5 r270; Top Overlay "5" at 10.712,153.786 h1.5 r270; Board Shape "Alert PCB fab to slot details" at 3.942,164.35 h0.3 r270; Board Shape "Slot 1.2x4.45mm, PTH" at 3.442,164.35 h0.3 r270; Board Shape "Assign keep-out area to slot" at 4.442,164.35 h0.3 r270; Board Shape "Mech 1 - Slot cut-out" at 2.942,164.35 h0.3 r270; Board Shape "Mech 2 - Clearance, move to internal plane if present" at 2.442,164.35 h0.3 r270